# Altium PCB Charger Interface.PcbDoc (continued)
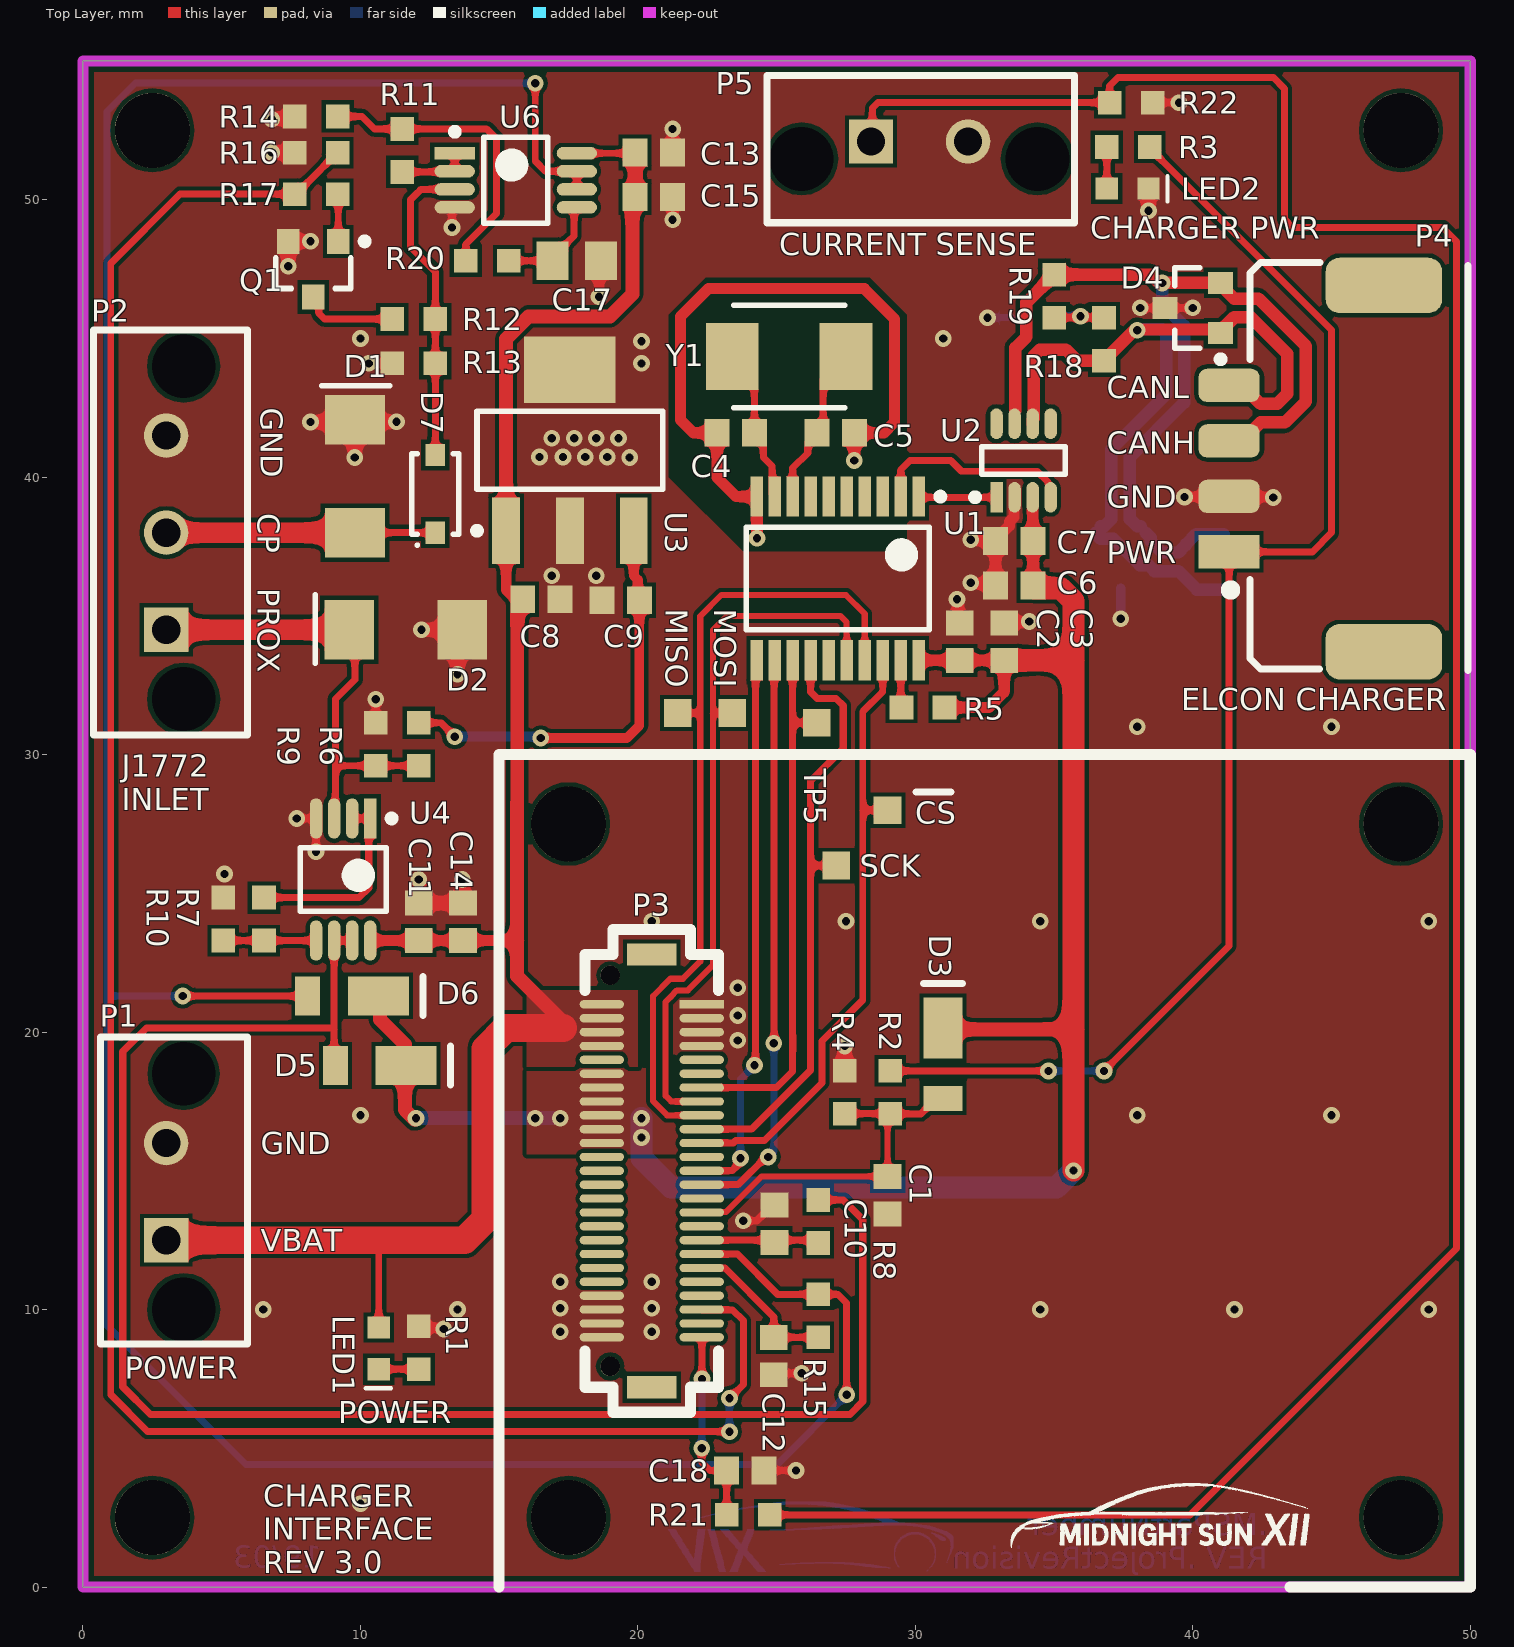
[diagram p0: Top Layer view]
## Part data (continued)
Q1: "N-Channel 30V 6.2A (Ta) 900mW (Ta) Surface Mount SOT-23", Case/Package=TO-236-3, Continuous Drain Current (ID)=6.2A, Drain to Source Voltage (Vdss)=30V, Input Capacitance=873pF, Manufacturer=Diodes, Manufacturer Part Number=DMN3023L-7, Max Operating Temperature=150°C, Max Power Dissipation=900mW, Min Operating Temperature=-55°C, Supplier Part Number 1=DMN3023L-7DICT-ND, ComponentLink1Description=https://www.diodes.com/assets/Datasheets/DMN3023L.pdf, ComponentLink1URL=https://www.diodes.com/assets/Datasheets/DMN3023L.pdf, ComponentLink2Description=http://www.mouser.com/ds/2/115/DMN3023L-959533.pdf, ComponentLink2URL=http://www.mouser.com/ds/2/115/DMN3023L-959533.pdf, Mount="Surface Mount", Packaging="Tape and Reel", Pricing 1="1=0.47, 10=0.368, 100=0.2529, 500=0.1734, 1000=0.1301 (USD)", Rds On Max=25mR, Stock 1=38246, Supplier 1=Digi-Key
R1 R2 R3 R5 R11 R16 R20 R22: "RES SMD 10K OHM 1% 1/10W 0603", Manufacturer 1=Yageo, Manufacturer Part Number 1=RC0603FR-0710KL, Operating Temperature="-55°C ~ 155°C", Package / Case="0603 (1608 Metric)", Power=1/10W, Resistance=10k, Supplier Device Package=0603, Supplier Part Number 1=311-10.0KHRCT-ND, Temperature Coefficient=±100ppm/°C, Tolerance=±1%, ComponentLink1Description=http://www.yageo.com/documents/recent/PYu-RC_Group_51_RoHS_L_7.pdf, ComponentLink1URL=http://www.yageo.com/documents/recent/PYu-RC_Group_51_RoHS_L_7.pdf, Composition="Thick Film", Failure Rate=-, Height - Seated (Max)="0.022\" (0.55mm)", Packaging="Cut Tape (CT)", Part Status=Active, Size / Dimension="0.063\" L x 0.031\" W (1.60mm x 0.80mm)", Supplier 1=Digi-Key
R4 R14: "3.65 kOhms ±0.1% 0.1W, 1/10W Chip Resistor 0603 (1608 Metric) Automotive AEC-Q200 Thin Film", Case/Package=0603, Case Code (Metric)=1608, Manufacturer=Panasonic, Manufacturer Part Number=ERA3AEB3651V, Max Operating Temperature=155°C, Max Power Dissipation=100mW, Min Operating Temperature=-55°C, Package Quantity=1, Power Rating=1/10W, Resistance=3.65k, Supplier Part Number 1=P3.65KDBCT-ND, Temperature Coefficient=25ppm/°C, Tolerance=0.1%, Voltage Rating=150V, Voltage Rating (DC)=75V, Case Code (Imperial)=0603, ComponentLink1Description=https://datasheet.ciiva.com/11810/0900766b80eb1d8c-11810288.pdf, ComponentLink1URL=https://datasheet.ciiva.com/11810/0900766b80eb1d8c-11810288.pdf, ComponentLink2Description=https://datasheet.ciiva.com/5974/485442-5974022.pdf, ComponentLink2URL=https://datasheet.ciiva.com/5974/485442-5974022.pdf, ComponentLink3Description=https://datasheet.ciiva.com/9196/aoa0000ce26-9196230.pdf, ComponentLink3URL=https://datasheet.ciiva.com/9196/aoa0000ce26-9196230.pdf, ComponentLink4Description=https://datasheet.ciiva.com/7911/485442-7911543.pdf, ComponentLink4URL=https://datasheet.ciiva.com/7911/485442-7911543.pdf, ComponentLink5Description=https://datasheet.ciiva.com/17213/aoa0000ce26-17213543.pdf, ComponentLink5URL=https://datasheet.ciiva.com/17213/aoa0000ce26-17213543.pdf, ComponentLink6Description=https://datasheet.ciiva.com/41450/001180837-da-01-en-widerstand-era-0603-3k65-0-1-5000st-41450154.pdf, ComponentLink6URL=https://datasheet.ciiva.com/41450/001180837-da-01-en-widerstand-era-0603-3k65-0-1-5000st-41450154.pdf, Composition="Metal Film,Thin Film", Contact Plating=Tin, Depth=0.8mm, Height=0.45mm, Lead Free="Lead Free", Length=1.6mm, Military Standard=Not, Mount="Surface Mount", Number of Pins=2, Number of Terminations=2, Packaging="Tape and Reel", Pricing 1="1=0.35, 10=0.3, 100=0.1172, 1000=0.0491, 2500=0.045 (USD)", Radiation Hardening=No, Stock 1=140813, Supplier 1=Digi-Key, Termination=SMD/SMT, Weight=7.1E-05oz, Width=0.8mm
R6: "330 Ohms ±1% 0.1W, 1/10W Chip Resistor 0603 (1608 Metric) Automotive AEC-Q200, Moisture Resistant Thick Film", Manufacturer="TE Connectivity", Manufacturer Part Number=1-2176339-9, Power=1/10W, Resistance=330, Supplier Part Number 1=A129682TR-ND, Stock 1=0, Supplier 1=Digi-Key
R7: "RES SMD 820 OHM 5% 1/4W 0603", Manufacturer 1="Rohm Semiconductor", Manufacturer Part Number 1=ESR03EZPJ821, Operating Temperature="-55°C ~ 155°C", Package / Case="0603 (1608 Metric)", Power=1/4W, Resistance=820, Supplier Device Package=0603, Supplier Part Number 1=RHM820DCT-ND, Temperature Coefficient=±200ppm/°C, Tolerance=±5%, ComponentLink1Description=http://www.rohm.com/web/global/datasheet/ESR01MZPF/esr-e, ComponentLink1URL=http://www.rohm.com/web/global/datasheet/ESR01MZPF/esr-e, Composition="Thick Film", Failure Rate=-, Height - Seated (Max)="0.022\" (0.55mm)", Packaging="Cut Tape (CT)", Part Status=Active, Size / Dimension="0.063\" L x 0.031\" W (1.60mm x 0.80mm)", Supplier 1=Digi-Key
R8 R15 R17 R21: "100 Ohm ±1% 0.1W, 1/10W Chip Resistor 0603 (1608 Metric) Moisture Resistant Thick Film", Manufacturer 1=Yageo, Manufacturer Part Number 1=RC0603FR-07100RL, Operating Temperature="-55°C ~ 155°C", Package / Case="0603 (1608 Metric)", Power=1/10W, Resistance=100, Supplier Device Package=0603, Supplier Part Number 1=311-100HRCT-ND, Temperature Coefficient=±100ppm/°C, Tolerance=±1%, ComponentLink1Description=http://www.yageo.com/documents/recent/PYu-RC_Group_51_RoHS_L_7.pdf, ComponentLink1URL=http://www.yageo.com/documents/recent/PYu-RC_Group_51_RoHS_L_7.pdf, Composition="Thick Film", Failure Rate=-, Height - Seated (Max)="0.022\" (0.55mm)", Packaging="Cut Tape (CT)", Part Status=Active, Size / Dimension="0.063\" L x 0.031\" W (1.60mm x 0.80mm)", Supplier 1=Digi-Key
R9 R13: "2.7 kOhms ±1% 0.1W, 1/10W Chip Resistor 0603 (1608 Metric) Automotive AEC-Q200, Moisture Resistant Thick Film", Manufacturer="TE Connectivity", Manufacturer Part Number=3-2176339-0, Power=1/10W, Resistance=2.7k, Supplier Part Number 1=A129693TR-ND, Stock 1=0, Supplier 1=Digi-Key
R10 R12: "1.3 kOhms ±1% 0.1W, 1/10W Chip Resistor 0603 (1608 Metric) Moisture Resistant Thick Film", Case/Package=0603, Case Code (Metric)=1608, Manufacturer=Yageo, Manufacturer Part Number=RC0603FR-071K3L, Max Operating Temperature=155°C, Min Operating Temperature=-55°C, Power Rating=1/10W, Resistance=1.3k, Supplier Part Number 1=311-1.30KHRCT-ND, Temperature Coefficient=100ppm/°C, Tolerance=1%, Voltage Rating=50V, Working Voltage=75V, Case Code (Imperial)=0603, ComponentLink1Description=http://components.arrow.com/part/dataview/0323_00200771, ComponentLink1URL=http://components.arrow.com/part/dataview/0323_00200771, ComponentLink2Description=http://www.mouser.com/ds/2/447/RC0603-272842.pdf, ComponentLink2URL=http://www.mouser.com/ds/2/447/RC0603-272842.pdf, ComponentLink3Description=http://www.yageo.com.tw/exep/pages/download/literatures/PYu-R_INT-thick_7.pdf, ComponentLink3URL=http://www.yageo.com.tw/exep/pages/download/literatures/PYu-R_INT-thick_7.pdf, ComponentLink4Description=http://www.yageo.com/documents/recent/PYu-RC0603_51_RoHS_L_v5.pdf, ComponentLink4URL=http://www.yageo.com/documents/recent/PYu-RC0603_51_RoHS_L_v5.pdf, Composition="Thick Film", Depth=0.8mm, Lead Free="Lead Free", Length=1.6mm, Military Standard=Not, Number of Terminations=2, Packaging="Tape and Reel", Pricing 1="1=0.1, 10=0.015, 100=0.006, 1000=0.0027, 2500=0.0023 (USD)", Stock 1=57984, Supplier 1=Digi-Key, Termination=SMD/SMT, Voltage Rating (DC)=50V, Width=800um
R18 R19: library part "RES 62 OHM 0.1% 1/10W 0603", "62 Ohms ±0.1% 0.1W, 1/10W Chip Resistor 0603 (1608 Metric) Automotive AEC-Q200 Thin Film", Manufacturer="Panasonic Electronic Components", Manufacturer Part Number=ERA-3AEB620V, Operating Temperature="-55°C ~ 155°C", Package / Case="0603 (1608 Metric)", Power (Watts)="0.1W, 1/10W", Supplier Device Package=0603, Supplier Part Number 1=P62DBCT-ND, Temperature Coefficient=±25ppm/°C, Tolerance=±0.1%, Category=Resistors, ComponentLink1Description=https://industrial.panasonic.com/cdbs/www-data/pdf/RDM0000/AOA0000C307.pdf, ComponentLink1URL=https://industrial.panasonic.com/cdbs/www-data/pdf/RDM0000/AOA0000C307.pdf, Composition="Thin Film", Failure Rate=-, Features="Automotive AEC-Q200", Height - Seated (Max)="0.022\" (0.55mm)", Packaging="Cut Tape (CT)", Part Status=Active, Pricing 1="1=0.52, 10=0.447, 100=0.1748, 1000=0.07317, 2500=0.06708 (CAD)", RoHS="RoHS Compliant", Size / Dimension="0.063\" L x 0.032\" W (1.60mm x 0.80mm)", Stock 1=10320, Supplier 1=Digi-Key
U1: library part "IC CAN SPI CONTROLLER MCP2515T-I/ST 20-TSSOP", "CAN Controller CAN 2.0 SPI Interface 20-TSSOP", Current - Supply=10mA, Manufacturer="Microchip Technology", Manufacturer Part Number=MCP2515T-I/ST, Operating Temperature="-40°C ~ 85°C", Package / Case="20-TSSOP (0.173\", 4.40mm Width)", Supplier Device Package=20-TSSOP, Supplier Part Number 1=MCP2515T-I/STCT-ND, Voltage - Supply="2.7 V ~ 5.5 V", Base Part Number=MCP2515, Category="Integrated Circuits (ICs)", ComponentLink1Description=http://www.microchip.com/mymicrochip/filehandler.aspx?ddocname=en011733, ComponentLink1URL=http://www.microchip.com/mymicrochip/filehandler.aspx?ddocname=en011733, Function=Controller, Interface=SPI, Packaging="Cut Tape (CT)", Part Status=Active, Pricing 1="1=3.04, 25=2.5372, 100=2.3076 (CAD)", Protocol=CAN, RoHS="RoHS Compliant", Standards="CAN 2.0", Stock 1=27278, Supplier 1=Digi-Key
U2: "1/1 Transceiver CANbus SOT-23-8", Manufacturer="Texas Instruments", Manufacturer Part Number=TCAN332DCNR, Max Operating Temperature=125°C, Min Operating Temperature=-40°C, Supplier Part Number 1=296-47355-1-ND, Lead Free="Lead Free", Pricing 1="1 = 2.27000, 10 = 2.04200, 100 = 1.64100, 500 = 1.34828, 1000 = 1.11714 (USD)", Stock 1=4830, Supplier 1=Digi-Key
U3: "Linear Voltage Regulator IC Positive Fixed Output 5V 500mA SOT-223-4", Current - Limit (Min)=-, Current - Output=500mA, Manufacturer 1="Texas Instruments", Manufacturer Part Number 1=UA78M05IDCYR, Operating Temperature="-40°C ~ 125°C", Package / Case="TO-261-4, TO-261AA", Supplier Device Package=SOT-223-4, Supplier Part Number 1=296-17616-1-ND, Voltage - Dropout (Typical)="2V @ 350mA", Voltage - Input="7 V ~ 25 V", Voltage - Output=5V, ComponentLink1Description=http://www.ti.com/lit/ds/symlink/ua78m.pdf, ComponentLink1URL=http://www.ti.com/lit/ds/symlink/ua78m.pdf, Mounting Type="Surface Mount", Packaging="Cut Tape (CT)", Part Status=Active, Regulator Topology="Positive Fixed", Supplier 1=Digi-Key
U4 U6: "General Purpose Amplifier 2 Circuit Rail-to-Rail 8-VSSOP", Case/Package=VSSOP, Input Bias Current=5pA, Input Offset Voltage (Vos)=250uV, Manufacturer="Texas Instruments", Manufacturer Part Number=OPA2197IDGKR, Max Operating Temperature=125°C, Min Operating Temperature=-40°C, Operating Supply Current=1mA, Output Current per Channel=65mA, Supplier Part Number 1=296-47349-1-ND, ComponentLink1Description=http://www.ti.com/lit/ds/symlink/opa2197.pdf, ComponentLink1URL=http://www.ti.com/lit/ds/symlink/opa2197.pdf, Gain Bandwidth Product=10MHz, Lead Free="Lead Free", Mount="Surface Mount", Number of Channels=2, Number of Circuits=2, Packaging="Tape and Reel", Pricing 1="1=2.41, 10=2.162, 100=1.7376, 500=1.4276, 1000=1.1829 (USD)", Slew Rate=20V/µs, Stock 1=2171, Supplier 1=Digi-Key
Y1: "16MHz ±20ppm Crystal 18pF 40 Ohms 2-SMD, No Lead", Frequency=16MHz, Frequency Stability=±30ppm, Frequency Tolerance=±20ppm, Load Capacitance=18pF, Manufacturer="Abracon LLC", Manufacturer Part Number=ABM3-16.000MHZ-D2Y-T, Operating Mode=Fundamental, Operating Temperature="-40°C ~ 85°C", Package / Case="2-SMD, No Lead", Ratings=-, Supplier Part Number 1=535-10638-1-ND, Category="Crystals, Oscillators, Resonators", ComponentLink1Description=https://abracon.com/Resonators/abm3.pdf, ComponentLink1URL=https://abracon.com/Resonators/abm3.pdf, Height - Seated (Max)="0.051\" (1.30mm)", Mounting Type="Surface Mount", Packaging="Cut Tape (CT)", Part Status=Active, Pricing 1="1=1.02, 10=0.858, 50=0.7712, 100=0.6855, 500=0.6512 (CAD)", RoHS="RoHS Compliant", Size / Dimension="0.197\" L x 0.126\" W (5.00mm x 3.20mm)", Stock 1=27142, Supplier 1=Digi-Key, Type="MHz Crystal"

## Free pads (board coordinates)
  round 2.7 hole 2.7: ""(2.5,2.5) ""(2.5,52.5) ""(17.5,2.5) ""(17.5,27.5) ""(47.5,2.5) ""(47.5,27.5) ""(47.5,52.5)

## Via types
v1: diameter 0.6, hole 0.3, Top Layer to Bottom Layer, tented both sides, 92 vias
v2: diameter 0.6, hole 0.3, Top Layer to Bottom Layer, tented bottom, 9 vias
v3: diameter 0.6, hole 0.3, Top Layer to Bottom Layer, 1 vias

## Nets (pads, with @x,y where several pads share a name; then routed paths per layer and width w, separated by ;. In a path a pad name is that pad's centre, name@x,y a point inside that pad or via, vN(x,y) a via of type N, cw(c..) or ccw(c..) an arc to the next point about the centre after c; other vN are vias at no path point)
3V3: C2.1 C3.1 C6.2 C7.2 D3.2 D5.2 D6.2 P3.40 P3.41 P3.42 P3.43 P3.44 P3.45 R5.2 U1.20 U2.3 | length 67.2
  Top Layer w0.4: U1.20 C2.1 C3.1 33.2,32.25 32.65,31.7 R5.2 ; U2.3 34.232,39.268 34.232,37.707 C7.2 C6.2
  Top Layer w0.5: D6.2 10.7,21.256 10.7,20.45 11.6,19.55 11.6,18.8 D5.2 11.6,18.75 11.6,17.2 v1@11.95,16.85 ; D3.2 31.05,20.1 35.7,20.1
  Top Layer w0.8: C3.1 35.7,33.4 ; C6.2 34.238,36.05 34.288,36 35.231,36 35.7,35.531 35.7,33.4 ; v1(35.7,15.009) 35.7,20.1 35.7,33.4
  Bottom Layer w0.5: v1(12,16.9) v1(17.2,16.9)
  Bottom Layer w0.8: v1(20.132,16.9) v1(20.132,16.2) 20.132,15.468 21.2,14.4 35.091,14.4 v1(35.7,15.009)
  other v1: 16.3,16.9
5V: C9.1 R6.1 U3.3 | length 15.5
  Top Layer w0.25: R6.1@12.15,31.1 12.2,31.15 12.9,31.15 v1(13.4,30.65)
  Top Layer w0.254: R6.1 R6.1@12.15,31.1
  Top Layer w0.35: v1(16.5,30.6) 19.6,30.6 20.05,31.05 C9.1 20,35.612 20,36.3 19.85,36.45 U3.3
  Bottom Layer w0.35: v1(13.4,30.65) 16.45,30.65 v1(16.5,30.6)
12V: C8.1 C11.1 C13.1 C14.1 C15.1 LED1.1 P1.1 P3.47 P3.48 P3.49 P3.50 U3.1 U4.8 U6.8 | length 67.6
  Top Layer w0.25: LED1.1 10.66,12.46 ; U6.8 19.875,51.675 C13.1
  Top Layer w0.381: U4.8 C11.1 C14.1 15.646,23.3 ; U3.1 15.25,35.95 C8.1@15.6,35.6
  Top Layer w0.5: U3.1 15.25,44.987 16.06,45.798 18.998,45.798 19.8,46.6 19.8,50 C15.1 C13.1 ; C8.1@15.6,35.6 15.653,35.547 15.653,28.275 15.646,28.268 15.646,23.3 15.646,22.019 17.3,20.365 17.3,20.15
  Top Layer w1: P1.1 13.753,12.5 14.5,13.247 14.5,19.4 15.25,20.15 17.3,20.15
CAN_RX: U1.2 U2.4 | length 7.3
  Top Layer w0.25: U1.2 29.475,40.275 29.8,40.6 31.275,40.6 31.661,40.214 34.389,40.214 34.775,39.828 34.775,39.754 34.837,39.692 34.837,39.313 U2.4
CAN_TX: U1.1 U2.1 | length 2.8
  Top Layer w0.25: U1.1 30.15,39.275 U2.1
CHARGER_CAN_N: D4.1 D8.1 P4.4 P6.2 R18.1 U2.6 | length 31.5
  Top Layer w0.45: U2.6 34.225,42.074 34.273,42.121 34.273,44.382 34.491,44.6 35.424,44.6 35.824,44.2 R18.1 37.923,45.323 40.877,45.323 D4.1 ; D4.1@41.225,45.375 41.225,45.501 41.489,45.765 42.081,45.765 43.404,44.443 43.404,43.008 43.04,42.645 42.448,42.645 41.783,43.31 P4.4
  Bottom Layer w0.45: D8.1 36.5,37.95 36.675,37.775 37.141,37.775 38.089,36.827 38.399,36.827 38.611,36.615 39.481,36.615 40.146,35.95 P6.2 ; D8.1@36.675,38.225 36.801,38.225 37.065,38.489 37.065,41.009 39.04,42.984 39.04,45.182 38.894,45.329 38.029,45.329 v1(38,45.3)
CHARGER_CAN_P: D4.2 D8.2 P4.3 P6.1 R19.1 U2.7 | length 34.4
  Top Layer w0.45: U2.7@33.603,42.399 33.603,44.659 34,45.057 34,46.3 R19.1 38.477,47.3 38.777,47 D4.2 ; D4.2@41.225,46.825 41.225,46.699 41.489,46.435 42.359,46.435 44.074,44.72 44.074,42.73 43.318,41.975 42.448,41.975 41.783,41.31 P4.3
  Bottom Layer w0.45: D8.2@38.125,38.225 37.999,38.225 37.735,38.489 37.735,40.731 39.69,42.687 39.69,45.452 38.9,46.242 v1(38.9,47) ; D8.2 38.475,37.825 38.475,37.699 38.889,37.285 39.481,37.285 39.745,37.549 39.745,37.575 40.12,37.95 P6.1
EVSE_CONTROL_PILOT: D1.1 D7.1 P2.2 | length 9.7
  Top Layer w0.254: D1.1 D7.1
  Top Layer w0.75: P2.2 D1.1
EVSE_PROXIMITY: D2.2 P2.1 R6.2 R9.1 U4.3 | length 17.4
  Top Layer w0.25: U4.3 U4.3@9.1,27.75 ; U4.3@9.1,27.25 U4.3@9.1,27.75 ; D2.2@9.8,34.5 9.8,32.7 9.1,32 9.1,29.6 ; R6.2 R9.1 9.1,29.6 ; U4.3@9.1,27.75 9.1,29.6
  Top Layer w0.75: P2.1 D2.2@9.8,34.5
GND: C1.2 C2.2 C3.2 C4.2 C5.2 C6.1 C7.1 C8.2 C9.2 C10.2 C11.2 C12.2 C13.2 C14.2 C15.2 C16.2 C17.2 C18.2 D1.2 D2.1 D4.3 D8.3 LED2.2 P1.2 P2.3 P3.1 P3.2 P3.3 P3.4 P3.26 P3.27 P3.28 P3.29 P4.2 P5.2 Q1.2 R1.2 R4.2 R9.2 R10.2 R13.2 R14.2 R16.2 R22.2 U1.10 U2.2 U3.2 U3.4 U4.4 U6.4 | length 67.8
  Top Layer w0.25: v1(7.7,27.7) U4.4 v1(8.4,26.5) ; v1(10.3,44.1) R13.2 ; R9.2@10.5,31.1 R9.2 v1(10.55,32) ; v1(13.3,49) 13.3,49.625 U6.4 ; C18.2 v1(25.7,4.2) ; v1(38.1,46.1) D4.3 v1(40,46.1) ; R22.2@38.5,53.55 R22.2 v1(39.5,53.5)
  Top Layer w0.254: v1(23.8,13.2) 24.288,13.2 24.863,13.775 C10.2 ; C12.2 24.95,7.7 v1(25.9,7.7)
  Top Layer w0.35: R1.2 12.152,9.348 12.952,9.348 v1(13,9.3) ; v1(18.6,46.5) C17.2@18.6,47.475 ; v1(21.25,49.283) C15.2 ; C13.2 v1(21.25,52.55) ; v1(39.7,39.288) 39.711,39.299 41.298,39.299 P4.2 41.33,39.289 42.879,39.289 v1(42.9,39.268)
  Top Layer w0.4: v1(24.293,37.8) 24.293,39.282 U1.10 23.537,39.3 22.85,39.987 C4.2 22,41.6 21.535,42.065 21.535,45.785 22.55,46.8 28.156,46.8 29.25,45.706 29.25,41.984 28.866,41.6 C5.2 v1(27.8,40.6) ; v1(31.5,35.6) 31.538,35.562 31.538,34.812 C2.2 ; v1(32,36.2) 32.038,36.162 32.826,36.162 C6.1 C7.1 ; v1(32,37.75) 32.025,37.725 32.863,37.725 C7.1 ; C3.2 33.225,34.775 34.075,34.775 v1(34.1,34.8) ; U2.2 33.575,38.936 33.55,38.911 33.55,38.559 33.388,38.398 33.388,38.25 32.888,37.75 C7.1
  Top Layer w0.5: v1(6.8,51.7) R16.2 ; v1(6.8,52.9) 6.819,52.919 7.544,52.919 R14.2 ; v1(7.4,47.6) Q1.2 v1(8.2,48.5) ; v1(8.2,41.988) 9.724,41.988 D1.2 ; v1(9.8,40.71) D1.2 ; v1(11.3,42) 9.864,42 D1.2 ; v1(12.1,25.5) C11.2 C14.2 13.682,24.668 13.682,25.482 v1(13.664,25.5) ; v1(12.2,34.5) D2.1 13.5,34.336 v1(13.5,32.9) ; R4.2 v1(27.45,19.5) ; v1(38.4,49.6) LED2.2
  Bottom Layer w0.25: v1(32.6,45.75) C16.2
  Bottom Layer w0.35: v3(37.4,34.9) D8.3
  other v1: 10,3 17.2,9.2 20.5,9.2 6.5,10 13.5,10 34.5,10 41.5,10 48.5,10 17.2,10.05 20.5,10.05 17.2,11 20.5,11 10,17 38,17 45,17 23.6,19.7 23.6,20.6 23.6,21.6 20.5,24 27.5,24 34.5,24 48.5,24 5.1,25.7 38,31 45,31 16.9,36.45 18.5,36.45 20.132,44.1 20.132,44.9 10,45 31,45
  other v2: 19.7,40.71 16.452,40.725 17.3,40.725 18.1,40.725 18.9,40.725 16.9,41.4 17.7,41.4 18.5,41.4 19.3,41.4
NetC4_1: C4.1 U1.9 Y1.1 | length 5.7
  Top Layer w0.25: Y1.1 24.2,43.55 C4.1 24.525,41.275 24.525,40.712 24.838,40.4 24.838,39.388 U1.9
NetC5_1: C5.1 U1.8 Y1.2 | length 5.8
  Top Layer w0.25: U1.8 25.575,40.323 26.125,40.873 26.125,41.275 C5.1 26.675,41.825 26.675,43.525 Y1.2
NetC16_1: C16.1 R18.2 R19.2 | length 2.9
  Top Layer w0.25: R19.2 35.9,45.75 R18.2
  Bottom Layer w0.25: C16.1 C16.1@34.875,45.8
  Bottom Layer w0.3: C16.1@34.875,45.8 v1(35.95,45.8)
NetC17_1: C17.1 R20.2 U6.5 | length 4.3
  Top Layer w0.25: R20.2 C17.1 16.925,47.925 C17.1@17.063,48.063 ; C17.1@17,48.125 C17.1@17.063,48.063 ; C17.1@17.325,47.8 17.125,48 C17.1@17.063,48.063 ; U6.5 17.7,49.625 17.7,48.7 C17.1@17.063,48.063
NetD5_1: D5.1 R8.1 U4.6 U4.7 | length 60.5
  Top Layer w0.25: U4.6@9.05,22.8 9.05,20.1 9.05,18.85 D5.1
  Top Layer w0.254: 9.05,20.1 9,20.15 2.285,20.15 1.432,19.298 1.432,7.216 2.428,6.221 27.64,6.221 28.104,6.685 28.104,13.247 27.401,13.95 R8.1 ; U4.6 U4.7
NetD7_2: D7.2 R12.1 R13.1 U6.3 | length 11.4
  Top Layer w0.25: D7.2@12.5,40.8 12.7,41 R13.1
  Top Layer w0.254: R13.1 R12.1 12.7,47.4 11.8,48.3 11.8,50 12.048,50.248 12.06,50.248 12.187,50.375 U6.3
NetLED1_2: LED1.2 R1.1 | length 1.4
  Top Layer w0.25: LED1.2 R1.1
NetLED2_1: LED2.1 R3.2 | length 1.5
  Top Layer w0.25: LED2.1 R3.2
NetP4_1: P4.1 R2.1 R3.1 | length 48.9
  Top Layer w0.25: R2.1 29.11,18.6 v1(34.8,18.6) ; v1(36.8,18.6) 41.309,23.109 P4.1 44.31,37.31 45,38 45,45.3 38.45,51.85 R3.1
  Bottom Layer w0.25: v1(34.8,18.6) v1(36.8,18.6)
NetP5_1: P5.1 R21.1 R22.1 | length 93.3
  Top Layer w0.25: R21.1 39.9,2.6 49.5,12.2 49.5,48.5 49,49 43.6,49 43.3,49.3 43.3,54 42.9,54.4 37.3,54.4 37,54.1 R22.1 28.65,53.5 28.45,53.3 28.45,52.15 P5.1
NetQ1_1: Q1.1 R17.2 | length 1.7
  Top Layer w0.25: Q1.1@9.2,48.6 R17.2@9.2,50.3
NetQ1_3: Q1.3 R12.2 | length 3.2
  Top Layer w0.25: Q1.3@8.5,46.4 8.5,45.9 8.7,45.7 R12.2
NetR5_1: R5.1 U1.19 | length 1.7
  Top Layer w0.254: U1.19 29.475,31.725 R5.1
NetR7_1: R7.1 U4.1 U4.2 | length 7.1
  Top Layer w0.254: R7.1 9.95,24.85 10.3,25.2 10.3,27.65 U4.1 U4.2
NetR7_2: R7.2 R10.1 U4.5 | length 3.3
  Top Layer w0.254: R10.1 R7.2 U4.5
NetR11_1: R11.1 U6.1 U6.2 | length 2.6
  Top Layer w0.254: R11.1 13.375,51 U6.2 U6.1
NetR11_2: R11.2 R14.1 R20.1 | length 11
  Top Layer w0.254: R14.1 10.05,53 10.5,52.55 R11.2 14.55,52.55 14.9,52.2 14.9,49.5 13.8,48.4 R20.1 ; R20.1@14.025,47.75 R20.1@14.075,47.8
PA0_AN0_CHARGER_INPUT_CURRENT_SENSE: C18.1 P3.25 R21.2 | length 7.1
  Top Layer w0.25: v1(22.3,5) 22.3,4.5 22.6,4.2 C18.1 R21.2 ; P3.25 22.309,8.991 v1(22.309,7.5)
  Bottom Layer w0.25: v1(22.3,5) 22.304,5.004 22.304,7.496 v1(22.309,7.5)
PA1/AN1: P3.24
PA2/CONTROL_PILOT_SEL: P3.23 R16.1 R17.1 | length 79.3
  Top Layer w0.25: R16.1 7.975,50.5 7.925,50.5 R17.1 3.5,50.2 1,47.7 1,20.8 1,6.932 2.333,5.6 v1(23.3,5.6) ; P3.23 22.31,9.99 23.41,9.99 23.8,9.6 23.8,7.3 v1(23.3,6.8)
  Bottom Layer w0.25: v1(23.3,5.6) v1(23.3,6.8)
PA3: P3.22
PA4/AN4/SPI1_NSS: P3.21
PA5/AN5/CONTROL_PILOT_PWM: C12.1 P3.20 R15.2 | length 5.7
  Top Layer w0.254: P3.20 22.309,11.491 23.133,11.491 24.9,9.725 C12.1 R15.2
PA6/AN6: D6.1 P3.19 R15.1 U6.6 U6.7 | length 111
  Top Layer w0.25: v1(3.6,21.3) 8.094,21.3 D6.1 ; v1(16.3,54.2) 16.3,51.4 16.675,51.025 U6.7 U6.6 ; R15.1 27.206,10.55 27.525,10.231 v1(27.525,6.925)
  Top Layer w0.254: P3.19 23.588,12 25.038,10.55 R15.1
  Bottom Layer w0.25: v1(3.6,21.3) 0.873,21.3 ; v1(16.3,54.2) 1.899,54.2 0.873,53.174 0.873,21.3 ; v1(27.525,6.925) 25.023,4.423 5.877,4.423 0.873,9.427 0.873,21.3
PA7/AN7/PROXIMITY_SENSE: C10.1 P3.18 R8.2 | length 3.9
  Top Layer w0.254: P3.18 24.5,12.5 R8.2@26.2,12.5
PA8/CAN_INT_n: P3.7 TP5.TP U1.13 | length 19.2
  Top Layer w0.254: P3.7 25,18 25.575,18.575 25.575,19.312 25.581,19.318 25.581,19.882 25.575,19.888 25.575,31.15 ; U1.13 25.575,31.15 ; TP5.TP 25.575,31.15
PA9: P3.6
PA10: P3.5
PA15/LED_RED: P3.39
PB0: P3.17
PB1_AN9_CHARGER_12V_SENSE: C1.1 D3.1 P3.16 R2.2 R4.1 | length 13.3
  Top Layer w0.22: P3.16 22.31,13.51 23.171,13.51 24.461,14.8 C1.1 29,16.96 R2.2
  Top Layer w0.25: R4.1 27.456,17.06 R2.2 29.106,17.054 30.204,17.054 30.75,17.6 D3.1
PB2: P3.15
PB3/LED_GREEN: P3.38
PB4/LED_BLUE: P3.37
PB5/LED_BLUE: P3.36
PB6/USART1_TX: P3.34
PB7/USART1_RX: P3.33
PB8: P3.32
PB9: P3.31
PB10_nRX0BF: P3.14 U1.12 | length 20.8
  Top Layer w0.254: P3.14 23.61,14.5 24.61,15.5 v1(24.7,15.5) ; v1(24.9,19.6) 24.913,19.613 24.913,33.387 U1.12
  Bottom Layer w0.254: v1(24.7,15.5) 24.9,15.7 v1(24.9,19.6)
PB11_nRX1BF: P3.13 U1.11 | length 19.9
  Top Layer w0.254: P3.13 22.309,15.009 23.404,15.009 23.7,15.305 v1(23.7,15.453) ; v1(24.2,18.8) 24.238,18.838 24.238,33.362 U1.11
  Bottom Layer w0.254: v1(23.7,15.453) 23.7,18.3 v1(24.2,18.8)
PB12/SPI2_NSS: CS.TP P3.11 U1.18 | length 22.3
  Top Layer w0.25: P3.11 22.31,16.01 23.44,16.01 23.526,16.096 24.555,16.096 26.629,18.17 26.629,19.678 28.104,21.153 28.104,28 ; U1.18 28.825,32.3 28.816,32.291 28.816,32.259 28.104,31.547 28.104,28 ; CS.TP 28.104,28
PB13/SPI2_SCK: P3.10 SCK.TP U1.14 | length 21.6
  Top Layer w0.254: P3.10 24.1,16.5 26.225,18.625 26.225,26 ; U1.14 26.225,32.267 26.463,32.029 27.146,32.029 27.401,31.774 27.401,30.226 26.225,29.05 26.225,26 ; SCK.TP@26.873,26 26.225,26
PB14/SPI2_MISO: MISO.TP P3.9 U1.17 | length 29.4
  Top Layer w0.22: MISO.TP 22.246,31.5 ; P3.9 21.058,17 20.546,17.512 20.546,21.3 21.169,21.923 21.623,21.923 22.246,22.546 22.246,31.5 ; U1.17 28.175,35.075 27.496,35.754 23.012,35.754 22.246,34.988 22.246,31.5
PB15/SPI2_MOSI: MOSI.TP P3.8 U1.16 | length 26.3
  Top Layer w0.22: P3.8 21.2,17.5 21,17.7 21,21.088 21.187,21.275 21.187,21.28 21.407,21.5 21.798,21.5 22.7,22.402 22.7,31.5 ; MOSI.TP 22.7,31.5 ; U1.16 27.525,34.775 27.3,35 23.212,35 22.7,34.488 22.7,31.5
PC13: P3.30
pads on no net: P1. P2. P3. P3.12 P3.35 P3.46 P4.7 P5. P6. U1.3 U1.4 U1.5 U1.6 U1.7 U1.15 U2.5 U2.8

## Polygon pours and split planes (outlines as drawn)
GND on Top Layer "GND_L01_P307" (solid, pour order 307): -2.5,57.5 52.5,57.5 52.5,-2.5 -2.5,-2.5
GND on Top Layer "GND_L01_P304" (solid, pour order 304): 21.1,8.5 21.1,11.8 16.5,11.8 16.525,11.775 16.525,8.5
GND on Top Layer "GND_L01_P302" (solid, pour order 302): 21,22.3 21,19 24.3,19 24.275,19.025 24.275,22.3
3V3 on Top Layer "3V3_L01_P305" (solid, pour order 305): 16,18.838 21.7,18.837 21.7,15.6 16,15.6
GND on Top Layer "GND_L01_P306" (solid, pour order 306): 15.85,45.25 15.85,34.988 20.5,34.988 20.5,45.25
12V on Top Layer "12V_L01_P303" (solid, pour order 303): 16,21.5 20,21.5 20,18.75 16,18.75
GND on Bottom Layer "GND_L02_P308" (solid, pour order 308): 0,57.5 52.5,57.5 52.5,-2.5 0,-2.5

## Keep-outs
Keep-Out Layer:
  the board outline again, w0.4

## Other copper
Top Layer:
  pour cut-out: 29.701,37.321 29.7,45.856 28.356,47.2 22.452,47.2 21.1,45.848 21.1,40 23.789,37.311
Bottom Layer:
  region: 648 vertices and 0 holes, not listed, extent 21.989,0.955 31.374,3.081
  region: 520 vertices and 0 holes, not listed, extent 22.969,0.557 24.614,2.085
  region: 436 vertices and 0 holes, not listed, extent 21.092,0.557 22.421,2.085
  region: 237 vertices and 0 holes, not listed, extent 22.521,0.557 23.168,2.085
  region: 26.391,0.872 25.859,0.872 25.859,0.856 25.544,0.856 25.544,0.839 25.311,0.839 25.311,0.822 25.112,0.822 25.112,0.806 25.311,0.806 25.311,0.822 25.677,0.822 25.677,0.839 26.341,0.839 26.341,0.856 27.039,0.856 27.039,0.839 27.437,0.839 27.437,0.822 27.653,0.822 27.653,0.806 27.819,0.806 27.819,0.789 27.969,0.789 27.969,0.773 28.102,0.773 28.102,0.756 28.201,0.756 28.201,0.739 28.318,0.739 28.318,0.723 28.434,0.723 28.434,0.706 28.534,0.706 28.534,0.689 29.015,0.689 29.015,0.673 29.098,0.673 29.098,0.689 29.032,0.689 29.032,0.706 28.949,0.706 28.949,0.723 28.882,0.723 28.882,0.739 28.799,0.739 28.799,0.756 28.7,0.756 28.7,0.773 28.617,0.773 28.617,0.789 28.5,0.789 28.5,0.806 28.384,0.806 28.384,0.822 28.201,0.822 28.201,0.839 28.002,0.839 28.002,0.856 27.786,0.856 27.786,0.872 27.454,0.872 27.454,0.889 26.391,0.889
  region: 430 vertices and 0 holes, not listed, extent 29.231,0.673 30.743,1.968
  region: 30.577,1.935 30.61,1.935 30.61,1.919 30.643,1.919 30.643,1.902 30.66,1.902 30.66,1.885 30.693,1.885 30.693,1.869 30.709,1.869 30.709,1.852 30.726,1.852 30.726,1.836 30.743,1.836 30.743,1.819 30.776,1.819 30.776,1.802 30.793,1.802 30.793,1.786 30.809,1.786 30.809,1.769 30.826,1.769 30.826,1.753 30.842,1.753 30.842,1.736 30.859,1.736 30.859,1.719 30.876,1.719 30.876,1.703 30.909,1.703 30.909,1.686 30.942,1.686 30.942,1.669 31.058,1.669 31.058,1.686 31.092,1.686 31.092,1.703 31.092,1.719 31.092,1.736 31.075,1.736 31.075,1.753 31.058,1.753 31.058,1.769 31.025,1.769 31.025,1.786 31.008,1.786 31.008,1.802 30.992,1.802 30.992,1.819 30.959,1.819 30.959,1.836 30.925,1.836 30.925,1.852 30.892,1.852 30.892,1.869 30.842,1.869 30.842,1.885 30.793,1.885 30.793,1.902 30.743,1.902 30.743,1.919 30.693,1.919 30.693,1.935 30.626,1.935 30.626,1.952 30.577,1.952
  region: 29.347,0.789 29.347,0.773 29.364,0.773 29.364,0.756 29.364,0.739 29.381,0.739 29.381,0.723 29.397,0.723 29.397,0.706 29.414,0.706 29.414,0.723 29.414,0.739 29.397,0.739 29.397,0.756 29.381,0.756 29.381,0.773 29.381,0.789 29.364,0.789 29.364,0.806 29.347,0.806
  region: 21.773,2.384 21.723,2.384 21.723,2.367 21.773,2.367 21.773,2.384 21.84,2.384 21.84,2.4 21.773,2.4
  region: 30.444,0.606 30.427,0.606 30.427,0.59 30.411,0.59 30.411,0.573 30.427,0.573 30.427,0.59 30.444,0.59 30.444,0.606 30.46,0.606 30.46,0.623 30.444,0.623
  region: 31.125,0.889 31.125,0.872 31.141,0.872 31.141,0.889 31.141,0.905 31.125,0.905
  text "19/03" at 8.6,0.7 h0.8
  text ".MSPartNumber / REV .ProjectRevision" at 42.7,0.659 h0.8

## Silkscreen, mask and mechanical layers (free items; w line width, h text height)
Top Overlay:
  drawing of 25 lines, arcs and shapes, not listed
  text "CHARGER PWR" at 36.3,48.6 h0.8
  text "CURRENT SENSE" at 25.1,48 h0.8
  text "CANL" at 36.9,42.85 h0.8
  text "GND" at 6.4,42.5 h0.8 r270
  text "CANH" at 36.9,40.85 h0.8
  text "GND" at 36.9,38.9 h0.8
  text "CP" at 6.3,38.7 h0.8 r270
  text "PWR" at 36.9,36.9 h0.8
  text "PROX" at 6.3,36 h0.8 r270
  text "ELCON CHARGER" at 39.575,31.6 h0.8
  text "J1772 / INLET" at 1.4,28 h0.8
  text "GND" at 6.4,15.6 h0.8
  text "VBAT" at 6.4,12.1 h0.8
  text "POWER" at 1.5,7.5 h0.8
  text "POWER" at 9.2,5.9 h0.8
  text "CHARGER / INTERFACE  / REV 3.0" at 6.5,0.5 h0.8
Bottom Solder:
  drawing of 11 lines, arcs and shapes, not listed